# KiCad board revxlp.kicad_pcb (continued)
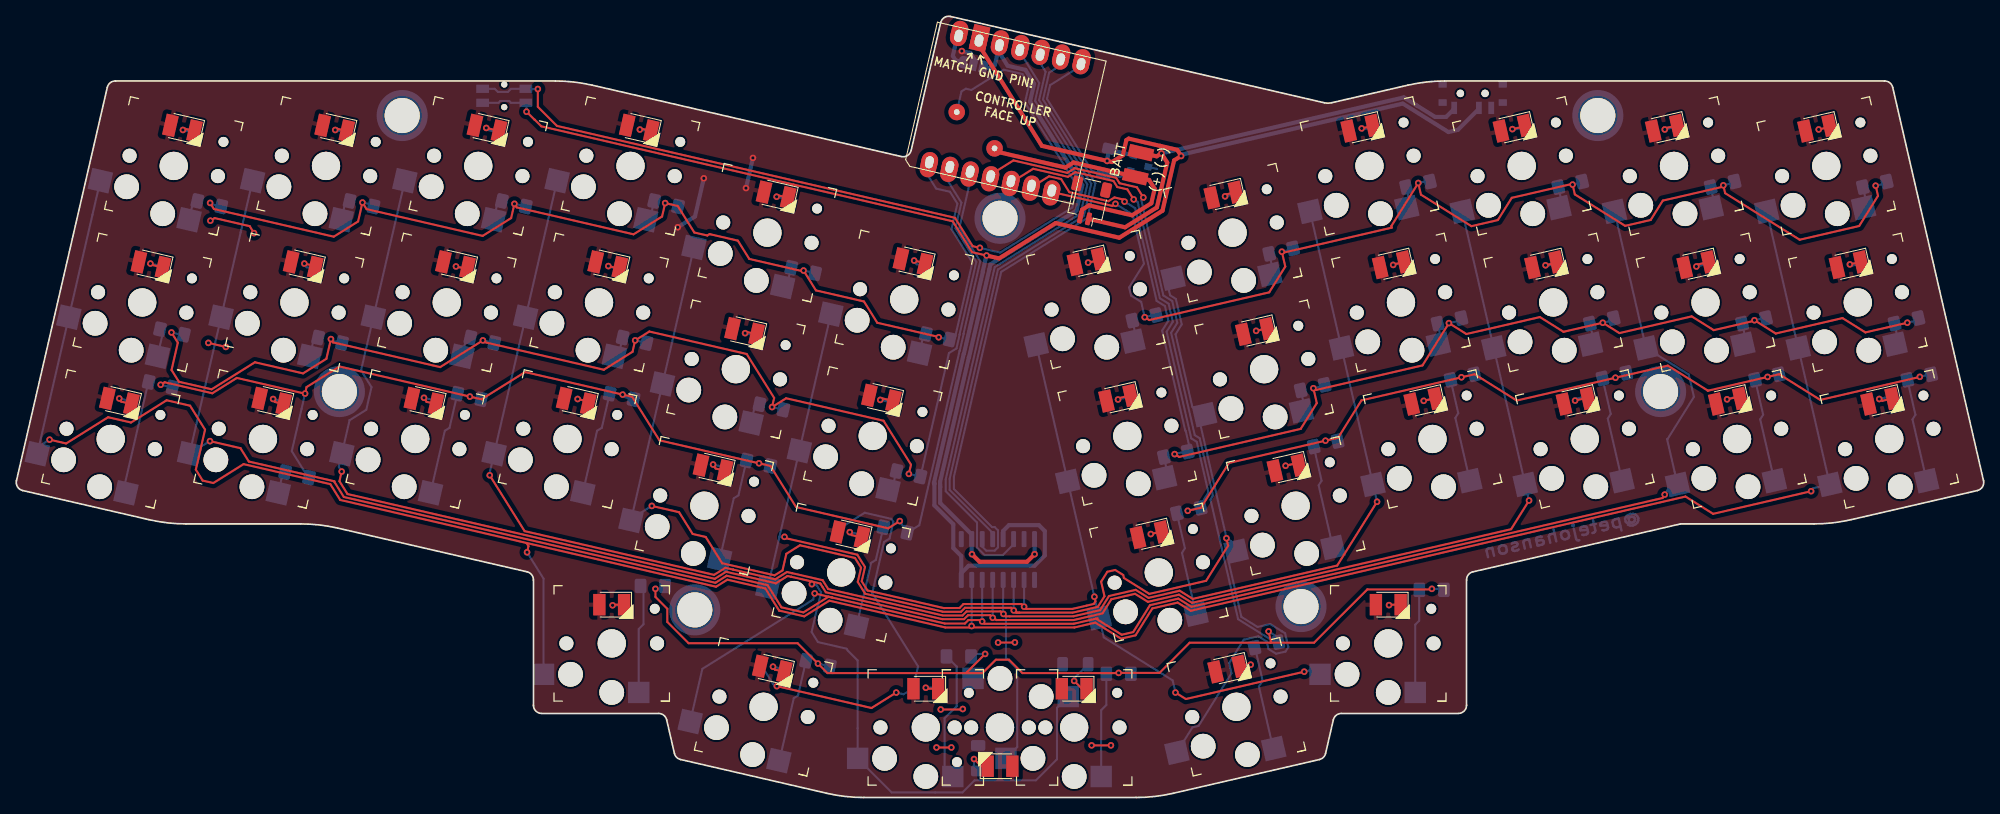
[diagram p0: board, top side]
## Nets (continued)
Net-(SwD5-K): R_D5.2 SwD5.3
Net-(SwE0-K): R_E0.2 SwE0.3
Net-(SwE1-K): R_E1.2 SwE1.3
Net-(SwE2-K): R_E2.2 SwE2.3
Net-(SwE3-K): R_E3.2 SwE3.3
Net-(SwE4-K): R_E4.2 SwE4.3
Net-(SwE5-K): R_E5.2 SwE5.3
Net-(SwF0-K): R_F0.2 SwF0.3
Net-(SwF1-K): R_F1.2 SwF1.3
Net-(SwF2-K): R_F2.2 SwF2.3
Net-(SwF3-K): R_F3.2 SwF3.3
Net-(SwF4-K): R_F4.2 SwF4.3
Net-(SwF5-K): R_F5.2 SwF5.3
Net-(SwG0-K): R_G0.2 SwG0.3
Net-(SwG1-K): R_G1.2 SwG1.3
Net-(SwG2-K): R_G2.2 SwG2.3
Net-(SwG3-K): R_G3.2 SwG3.3
Net-(SwG4-K): R_G4.2 SwG4.3
Net-(SwG5-K): R_G5.2 SwG5.3

Pads without a net: BT2 MP; H1 1; H2 1; H3 1; H4 1; H5 1; H6 1; H7 1; SW1 3; U1 1 9 15

## Via types
v1: diameter 0.8, hole 0.4, Top to Bottom, 140 vias

## Routing (per net, layer and track width the routed paths; a pad name or vN(x,y) marks a point on that pad's centre or on a via; arc(x,y) is an arc through that point)
+3V3: length 88.1
  Top w0.5: v1(123.52,29.52) 122.6,28.6 116.84,28.6 v1(115.92,29.52)
  Bottom w0.5: 112.06,37.66 112.06,37.98 ; 112.06,37.66 112.06,38.32 115.54,53.39 115.56,53.41 118.03,64.08 118.17,64.71 128.6,71.22 129.31,74.28 122.97,84.43 123.47,86.59 122.41,88.28 120.25,88.78 119.1,90.62 U2.12 118.7,88.89 118.06,88.49 JP1.1 ; 112.06,37.66 112.06,35.74 115.89,31.9 115.89,29.55 v1(115.92,29.52) ; v1(123.52,29.52) 123.51,29.53 U1.16
+5V: length 12.9
  Bottom w0.5: v1(83.39,75.13) 82.32,70.5 v1(80.22,69.19) ; v1(88.5,73.95) v1(89.35,77.6) ; 116.21,89.57 115.74,90.33 v1(114.69,90.57)
GND: length 236.5
  Top w0.25: v1(61.88,83.21) 62.85,82.24 62.87,82.24 63.67,81.43 94.29,74.37 113.59,69.91 115.93,66.17 v1(117.7,65.76)
  Top w0.5: 116.62,91.14 116.9,91.08 124.41,79.06 132.32,77.24 v1(132.32,77.24) 132.91,77.1 134.23,77.93 134.65,79.76 134.94,79.94 138.75,79.06 138.76,79.06 140.83,78.59 v1(141.3,77.84) 140.45,77.31 139.04,71.2 133.79,67.92 126.08,69.7 119.21,65.41 v1(117.7,65.76)
  Bottom w0.25: v1(61.88,83.21) 61.88,84.21 SW2.2 60,84.29 59.78,84.51 58.7,84.51 58.48,84.29 SW2.2
  Bottom w0.5: Q1.2 132.64,78.57 132.54,78.73 ; 177.43,83.56 174.87,81 174.84,81 173.73,80.74 168.19,84.2 141.69,78.08 141.41,78.02 v1(141.3,77.84) ; U1.13 119.7,32.35 120.41,33.05 124.04,33.05 124.76,32.33 124.76,29.37 123.51,28.12 115.52,28.12 114.62,27.22 114.62,29.3 113.66,30.26 113.66,33.15 111.36,35.45 111.36,38.07 ; 111.36,38.07 111.36,38.07 111.36,38.22 ; 111.36,38.07 111.3,38.16 114.92,53.83 114.95,53.85 117.25,63.81 117.23,63.83 117.66,65.7 ; R80.2 132.29,77.3 v1(132.32,77.24)
BAT+: length 32.7
  Top w0.5: U2.16 118.91,78.36 127.26,76.43 128.24,77.05 137.42,74.93 138.09,73.85 137.68,72.1 135.34,70.64 130.13,71.84 129.29,71.32 BT2.2
col0: length 330.1
  Top w0.25: v1(61.94,29.76) 62.12,30.5 61.88,30.88 ; v1(217.73,37.16) 205.84,34.42 202.49,36.52 142.46,22.66 140.88,23.65 137.81,22.94 135.76,19.68 134.01,19.27 130.89,21.22 128.36,20.63 116.05,20.63 v1(115.88,20.81) 115.7,20.63 112.72,20.63 98.61,23.88 95.57,21.98 92.53,22.68 92.52,22.68 90.85,25.36 86.24,26.43 84.87,25.57 61.88,30.88 ; v1(4.02,43.42) 6.02,42.96 11.12,46.14 13.89,45.5 18.21,48.2 21.06,47.54 22.88,44.63 21.76,39.78 22.59,38.45 23.88,38.16 27.55,40.45 38.07,38.02 39.27,36.1 61.88,30.88
  Bottom w0.25: SwA0.2 9.22,70.7 SwE0.2 2.73,42.62 v1(4.02,43.42) ; SwB0.2 SwF0.2 217.95,37.52 v1(217.73,37.16) ; SwG0.2 63.94,26.55 v1(61.94,29.76) ; 115.89,25.77 115.89,20.83 v1(115.88,20.81)
col1: length 294.6
  Top w0.25: v1(23.47,43.24) 27.18,42.38 28.19,40.76 38.56,38.37 38.55,38.32 39.72,36.46 84.79,26.05 86.16,26.91 91.13,25.76 92.81,23.08 95.47,22.46 98.52,24.37 98.98,24.26 ; 130.97,21.7 134.09,19.75 135.48,20.07 137.52,23.34 140.96,24.13 142.54,23.14 199.7,36.34 v1(199.97,36.76) ; 128.27,21.08 117.44,21.08 v1(117.16,21.36) 116.99,21.53 115.49,21.53 115.07,21.11 112.62,21.11 98.98,24.26 ; 98.98,24.26 97.63,24.57 97.63,24.58 v1(96.84,24.76) ; 131.18,21.75 128.26,21.08
  Bottom w0.25: SwA1.2 27.2,68.59 SwE1.2 23.45,43.24 v1(23.47,43.24) ; SwB1.2 SwD1.2 202.89,51.31 203.51,48.61 200.31,43.49 200.26,43.47 SwF1.2 200.6,37.78 v1(199.97,36.76) ; v1(117.16,21.36) 117.16,21.36 117.16,25.77 ; SwG1.2 83.21,15.61 96.66,24.02 v1(96.84,24.76)
col2: length 293.6
  Top w0.25: 128.3,21.54 131.76,22.34 132.83,24.05 135.7,24.72 137.26,23.74 141.04,24.61 142.62,23.62 181.33,32.56 v1(183.51,36.03) ; 128.24,21.53 118.87,21.53 118.59,21.81 v1(118.44,21.81) 118.12,22.13 115.45,22.13 114.96,21.64 112.33,21.64 98.19,24.9 97.53,25.97 96.48,26.21 ; 96.48,26.21 94.01,26.78 94,26.77 93.55,26.88 92.13,25.99 86.09,27.39 86.09,27.39 84.71,26.53 67.05,30.61 40.16,36.82 39.18,38.38 v1(39.45,39.55) ; 96.48,26.21 96.55,26.1 v1(96.5,25.88)
  Bottom w0.25: SwB2.2 SwF2.2 183.5,36.04 v1(183.51,36.03) ; SwA2.2 41.81,51.82 43.07,49.79 42.44,47.04 40.41,45.78 40.41,45.78 SwE2.2 39.1,40.11 v1(39.45,39.55) ; 118.43,25.77 118.43,21.81 v1(118.44,21.81) ; v1(96.5,25.88) 97.08,25.75 97.61,24.89 97.27,23.44 97.24,23.41 96.47,20.08 97.23,18.86 100.71,18.06 100.85,17.83 102.05,16.63 102.05,8.41 SwG2.2 106.18,0.62 111.47,0.62 111.47,0.62 114.77,0.62 116.23,2.08 123.67,2.08 126.23,4.64 126.23,10.89 SwAltG2.2
col3: length 215.8
  Top w0.25: 128.24,21.99 131.48,22.74 132.55,24.45 135.78,25.2 137.34,24.22 141.12,25.09 142.71,24.1 160.23,28.15 v1(165.07,35.88) ; 112.41,22.09 114.77,22.09 115.26,22.58 119.41,22.58 119.71,22.28 v1(119.75,22.28) 120.04,21.98 128.26,21.98 ; 112.33,22.1 98.48,25.3 97.81,26.36 94.1,27.22 93.48,27.36 92.05,26.47 86.96,27.65 86.96,27.65 86.01,27.87 84.63,27.01 61.65,32.32 v1(57.41,39.1)
  Bottom w0.25: SwA3.2 64.13,68.48 SwE3.2 57.36,39.18 v1(57.41,39.1) ; SwB3.2 164.57,38.01 SwF3.2 165.06,35.89 v1(165.07,35.88) ; 119.7,25.77 119.7,22.32 v1(119.75,22.28) 119.75,22.14 120.05,21.84 120.05,16.94 121.41,15.58 121.41,6.11 SwG3.2
col4: length 204.8
  Top w0.25: 121.67,22.43 121.26,22.43 v1(121,22.7) 120.67,23.03 115.08,23.03 114.59,22.54 112.35,22.54 ; 121.67,22.43 128.12,22.43 ; 121.67,22.43 121.36,22.43 121,22.8 ; v1(77.08,35.38) 80.39,34.61 82.04,31.98 83.62,31.61 85.61,28.43 91.98,26.96 92.94,27.56 93.4,29.57 95.06,30.6 99.68,29.54 99.69,29.54 101.73,29.07 102.47,27.88 102.07,26.16 102.97,24.72 112.35,22.56 ; 128.17,22.44 130.1,22.88 131.2,23.13 132,24.42 131.59,26.19 132.34,27.39 133.29,27.61 134.27,27 134.36,26.63 137.44,24.71 144.34,26.3 147,30.56 v1(146.8,31.46)
  Bottom w0.25: SwA4.2 82.17,66.64 SwE4.2 74.6,33.83 v1(77.08,35.38) ; 120.97,25.77 120.97,22.72 v1(121,22.7) ; SwB4.2 139.71,62.03 139.96,60.93 140.66,60.5 141.37,57.4 140.62,56.21 142.66,47.38 SwD4.2 143.57,45.52 146.81,31.48 v1(146.8,31.46) 147.75,30.86 SwF4.2 147.09,28.48 148.61,21.92 150.56,20.7 152.11,21.05 153.5,20.18 153.51,20.18 153.91,19.93 154.3,18.25 153.96,17.71 152.82,17.44 151.9,18.02 151.69,18.92 150.67,19.56 148.89,19.15 147.12,16.31 147.4,15.07 143.42,8.69 142.68,8.52 SwG4.2
col5: length 146.6
  Top w0.25: v1(93.18,31.63) 93.27,31.48 93.76,31.37 93.76,31.37 102.01,29.46 102.95,27.96 102.55,26.24 103.25,25.12 112.55,22.97 ; v1(130.77,24.37) 130.9,23.8 130.7,23.48 128.13,22.89 ; 128.1,22.88 122.52,22.88 v1(122.25,23.16) 121.93,23.48 114.89,23.48 114.4,22.99 112.52,22.99 ; v1(156.23,15.27) 141.87,11.95 v1(140.61,12.74)
  Bottom w0.25: SwA5.2 98.74,58.4 92.57,31.63 ; v1(156.23,15.27) 157.26,15.51 SwG5.2 ; v1(93.18,31.63) 93.02,31.53 92.57,31.63 ; v1(122.25,23.16) 122.24,23.16 122.24,25.77 ; 92.57,31.63 SwE5.2 ; v1(140.61,12.74) 140.27,14.21 131.91,19.43 SwF5.2 v1(130.77,24.37) 130.73,24.41 130.73,24.54 SwB5.2
ledOut: length 69.2
  Top w0.25: v1(111.62,6.07) v1(113.42,6.07) ; v1(25.4,54.67) v1(23.28,55.16) ; v1(92.25,13.51) 103.73,10.86 v1(106.73,12.74) ; v1(28.82,68.48) 28.3,69.32 24.03,70.3 v1(23.52,69.98) ; v1(130.44,6.33) 130.44,6.33 v1(132.78,6.33) ; v1(119.09,18.8) 121.11,18.8 v1(121.13,18.82) ; v1(114.81,10.74) 114.75,10.68 v1(112.13,10.68)
  Bottom w0.25: Q1.3 138.4,76.26 ; R_G1.1 91.9,13.59 v1(92.25,13.51) ; v1(106.73,12.74) 107.62,12.53 R_G2.1 109.39,15.9 103.82,24.81 105.25,31 105.92,31.42 106.38,33.42 106.14,33.8 102.91,34.55 R_E5.1
ledTrig: length 21.3
  Bottom w0.25: 131.93,75.75 133.91,75.29 135.13,76.05 ; U2.8 125.4,86.43 125.02,84.78 130.5,76 R80.1
MISO: length 69.1
  Bottom w0.25: 123.92,89.56 124.86,88.06 124.06,84.61 130.4,74.47 129.5,70.58 119.08,64.06 113.22,38.68 113.22,37.32 118.43,32.1 U1.12
MOSI: length 76.8
  Bottom w0.25: U1.14 120.97,30.73 119.66,29.41 117.46,29.41 116.54,30.33 116.54,33.36 112.74,37.16 112.74,38.6 118.58,63.92 118.68,64.34 129.11,70.86 129.92,74.39 123.65,84.43 123.58,84.53 124.08,86.69 121.74,90.44 U2.11
rowA: length 136.9
  Top w0.25: v1(111.89,55.84) 111.86,55.88 104.44,57.6 102.82,60.18 96.99,61.53 v1(95.49,63.94) 95.36,63.86 88.91,65.35 87.52,67.56 84.08,68.36 83.81,68.19 82.24,68.55 80.23,71.77 v1(78.7,72.12) 78.33,70.5 74.86,68.33 60.68,71.61 v1(60.41,72.03) 60.01,70.3 56.55,68.14 42.47,71.39 v1(41.97,72.19) 41.44,69.89 38.49,68.05 23.95,71.4 v1(23.49,72.14)
  Bottom w0.25: v1(41.97,72.19) 43.2,71.9 D_A1.1 ; D_A2.1 61.79,71.72 v1(60.41,72.03) ; v1(111.89,55.84) 113.18,55.54 D_A5.1 113.91,55.99 115.97,64.91 113.44,68.96 114.15,72.05 113.25,73.49 111.57,73.88 110.44,75.69 110.71,76.86 ; v1(78.7,72.12) 80.23,71.77 D_A3.1 ; v1(95.49,63.94) 96.89,63.61 D_A4.1 ; D_A0.1 23.58,72 v1(23.49,72.14)
rowB: length 143.7
  Top w0.25: v1(136.88,58.28) 137.43,57.93 151.98,61.29 153.94,64.42 v1(153.52,66.22) 153.7,66.11 166.85,69.14 166.81,69.34 v1(170.07,74.56) 170.39,73.15 176.51,69.32 179.73,70.06 181.41,72.76 188.68,74.44 v1(188.79,74.36) 189.07,73.18 195.17,69.36 198.27,70.08 199.73,72.42 206.96,74.09 v1(207.08,74.28) 207.3,73.32 216.34,67.68 223.56,69.34 225.85,73 v1(225.56,74.23) ; v1(133.33,72.03) 132.94,71.79 125.98,73.39 U2.7
  Bottom w0.25: v1(153.52,66.22) 154.81,66.52 D_B4.1 ; D_B0.1 226.77,74.51 v1(225.56,74.23) ; D_B2.1 189.89,74.62 v1(188.79,74.36) ; D_B1.1 208.34,74.57 v1(207.08,74.28) ; v1(133.33,72.03) 135.41,70.73 136.79,64.77 134.99,61.89 135.22,60.9 136.45,60.13 v1(136.88,58.28) 138.21,58.58 D_B5.1 ; v1(170.07,74.56) 171.31,74.84 D_B3.1
rowC: length 161
  Top w0.25: v1(18.8,56.42) 19.58,55.19 18.81,51.87 19.7,50.44 23.67,49.53 28.92,52.81 34.76,51.46 37.6,53.23 v1(38.15,55.62) 38.4,55.22 51.4,52.22 v1(56.59,55.46) 56.71,55.26 71.25,51.9 74.74,54.08 v1(75.06,55.46) 76.78,56.54 88.59,53.81 91.92,48.48 v1(91.67,47.37) 93.38,48.44 105.2,45.71 108.53,40.38 v1(108.27,39.27)
  Bottom w0.25: v1(18.8,56.42) 20.23,56.1 D_C0.1 ; v1(38.15,55.62) 38.27,55.43 D_C1.1 ; v1(91.67,47.37) 93.04,47.05 D_C4.1 ; v1(56.59,55.46) D_C2.1 ; 113.19,76.29 112.89,74.98 114.64,72.17 113.92,69.04 116.45,64.99 114.42,56.2 114.43,56.18 114.05,54.49 113.13,53.92 110.1,40.81 D_C5.1 v1(108.27,39.27) ; v1(75.06,55.46) D_C3.1
rowD: length 155.5
  Top w0.25: v1(229.4,57.61) 224.31,56.43 221.54,58.17 213.44,56.3 v1(210.86,57.91) 210.81,57.84 205.91,56.71 203.24,58.38 194.47,56.35 v1(192.45,57.61) 187.69,56.51 184.82,58.29 175.91,56.24 v1(173.79,57.56) 170.58,52.43 157.68,49.45 v1(157.34,49.66) 157.76,47.85 155.81,44.73 141.06,41.32 v1(140.51,41.67) ; 123.09,74.01 125.28,75.38 126.74,75.04 127.73,73.45 132.48,72.35 133.21,72.81 134.28,72.56 v1(134.44,72.3)
  Bottom w0.25: D_D3.1 175.12,57.87 v1(173.79,57.56) ; D_D4.1 158.64,49.96 v1(157.34,49.66) ; v1(229.4,57.61) 230.57,57.88 D_D0.1 ; v1(192.45,57.61) 193.6,57.87 D_D2.1 ; v1(134.44,72.3) 135.73,71.49 138.33,60.26 139.34,59.63 139.75,57.85 139,56.65 141.8,44.53 141.86,44.49 142.35,42.36 D_D5.1 142.03,42.02 v1(140.51,41.67) ; v1(210.86,57.91) 212.19,58.21 D_D1.1
rowE: length 164.9
  Top w0.25: v1(17.49,50.08) 17.97,50.38 23.75,49.05 26.73,50.91 34.99,49 v1(35.01,49.01) 35.2,49.8 39.19,52.3 42.93,51.43 v1(55.01,48.64) 56.42,48.32 61.7,51.62 v1(73.54,48.89) 74.7,48.62 78,43.33 90.08,40.55 v1(90.09,40.55) 91.46,40.23 94.58,35.24 105.76,32.66 107.16,33.54 v1(107.16,33.54)
  Bottom w0.25: 74.65,48.37 73.73,48.59 v1(73.54,48.89) ; D_E1.1 35.39,38.84 33.4,42.02 34.59,47.16 v1(35.01,49.01) ; v1(90.09,40.55) 91.46,40.23 D_E4.1 ; v1(107.16,33.54) 108.04,32.13 D_E5.1 109.53,33.04 114.42,54.2 114.44,54.21 114.91,56.26 114.9,56.28 116.93,65.07 114.4,69.12 115.85,75.42 115.66,75.72 ; v1(55.01,48.64) D_E2.1 ; v1(17.49,50.08) D_E0.1
rowF: length 164.9
  Top w0.25: v1(135.54,72.57) 135.53,72.57 134.77,73.79 133.55,74.07 133.1,74.8 128.46,75.87 127.56,75.31 123.34,76.28 120.61,74.58 ; v1(142.1,34.79) 143.7,35.16 147.1,40.59 v1(158.81,43.3) 160.34,43.65 163.18,48.18 v1(175.31,50.98) 176.91,51.36 182.01,48.17 193.99,50.93 v1(194,50.94) 200.35,52.4 205.18,49.38 205.19,49.35 v1(212.45,51.03) 213.86,51.36 218.84,48.24 230.91,51.03 v1(230.92,51.04)
  Bottom w0.25: v1(175.31,50.98) D_F3.1 ; D_F4.1 159.83,43.53 v1(158.81,43.3) ; v1(230.92,51.04) 232.29,51.36 D_F0.1 ; v1(142.1,34.79) D_F5.1 143.62,35.43 144.61,37.02 143.19,43.16 142.53,43.57 139.54,56.52 140.29,57.72 139.78,59.91 138.72,60.58 136.02,72.27 v1(135.54,72.57) ; v1(212.45,51.03) D_F1.1 ; v1(194,50.94) 195.29,51.23 195.36,51.35
rowG: length 199.4
  Top w0.25: 115.29,15.1 117.2,15.1 118.82,16.72 120.42,16.72 122.04,15.1 133.7,15.1 v1(133.72,15.12) 138.67,15.12 142.33,18.78 152.13,18.78 ; 115.29,15.1 98.39,15.1 94.77,18.72 81.54,18.72 78.96,21.3 78.96,22.9 77.52,24.34 v1(77.52,25.32) ; 115.29,15.1 115.29,15.19 v1(117.52,17.42) ; 152.13,18.78 152.2,18.89 v1(151.91,20.15) ; 152.13,18.78 157.42,18.78 163.89,25.25 171.65,25.25 v1(171.72,25.32) ; v1(136.71,72.8) 135.94,74.04 133.83,74.52 133.42,75.19 128.37,76.35 128.37,76.35 127.48,75.79 120.95,77.3 118.24,75.6
  Bottom w0.25: 152.78,18.78 148.21,21.63 144.86,36.16 145.16,36.64 143.55,43.59 142.95,43.97 140.08,56.39 140.83,57.59 140.22,60.24 139.14,60.92 136.48,72.43 v1(136.71,72.8) ; D_G4.1 152.94,19.51 v1(151.91,20.15) ; v1(77.52,25.32) 78.85,25.32 ; v1(171.72,25.32) 173.06,25.32 D_G5.1 ; v1(97.24,16.25) D_G1.1 ; D_G2.1 116.11,17.42 v1(117.52,17.42) ; D_G3.1 135.2,15.04 135.12,15.12 v1(133.72,15.12)
RST: length 109.3
  Top w0.25: v1(63.25,85.96) 63.25,83.81 65.57,81.48 113.88,70.33 113.88,70.31 116.01,66.89 v1(116.88,66.69)
  Bottom w0.25: 117.92,66.45 119.35,66.12 128.09,71.58 128.69,74.17 127.78,75.63 ; v1(116.88,66.69) 117.92,66.45 ; 127.78,75.63 127.64,75.85 ; 127.78,75.63 127.78,75.64 122.35,84.33 122.85,86.49 122.05,87.78 119.78,88.3 115.85,85.85 115.18,86 114.65,85.67 U2.15 ; v1(63.25,85.96) 61.83,85.96 SW2.1 60,85.99 59.63,85.61 58.4,85.61 58.03,85.99 SW2.1
SCK: length 73.3
  Bottom w0.25: U1.11 117.16,30.44 117.65,29.95 118.68,29.95 119.08,30.35 119.08,32.41 118.68,32.81 118.36,32.81 113.73,37.44 113.73,38.92 119.47,63.78 129.93,70.31 130.9,74.52 130.31,75.47 124.54,84.69 125.29,87.95 126.3,88.59 126.4,88.99
Net-(BT1--): length 56
  Top w0.5: BT1.2 138.33,77.79 v1(138.91,78.16) 139.61,77.03 138.36,71.6 134.5,69.18 BT2.1
  Bottom w0.5: 174.43,83.56 173.44,82.57 172.11,82.57 168.32,84.95 v1(138.91,78.16)
Net-(D_A0-A): length 2.6
  Bottom w0.25: SwA0.1 21.38,72.02 D_A0.2
Net-(D_A1-A): length 2.6
  Bottom w0.25: SwA1.1 39.85,72.02 D_A1.2
Net-(D_A2-A): length 2.6
  Bottom w0.25: SwA2.1 58.26,71.73 58.83,72.09 58.87,72.29
Net-(D_A3-A): length 2.7
  Bottom w0.25: SwA3.1 76.38,70.09 76.92,70.43 D_A3.2
Net-(D_A4-A): length 2.6
  Bottom w0.25: 93.97,64.28 93.53,62.36 SwA4.1
Net-(D_A5-A): length 2.2
  Bottom w0.25: 110.03,56.05 109.54,53.93 SwA5.1
Net-(D_B0-A): length 2.6
  Bottom w0.25: SwB0.1 224.45,72.14 D_B0.2
Net-(D_B1-A): length 2.6
  Bottom w0.25: SwB1.1 205.98,72.14 205.54,74.07
Net-(D_B2-A): length 2.6
  Bottom w0.25: SwB2.1 187.51,72.14 D_B2.2
Net-(D_B3-A): length 2.6
  Bottom w0.25: SwB3.1 169.03,72.14 D_B3.2
Net-(D_B4-A): length 2.6
  Bottom w0.25: D_B4.2 152.43,64.04 SwB4.1
Net-(D_B5-A): length 2.6
  Bottom w0.25: D_B5.2 135.83,55.94 SwB5.1
Net-(D_C0-A): length 3.5
  Bottom w0.25: D_C0.2 17.75,56.3 SwC0.1
Net-(D_C1-A): length 2.6
  Bottom w0.25: SwC1.1 36.03,55.46 D_C1.2
Net-(D_C2-A): length 2.6
  Bottom w0.25: SwC2.1 54.5,55.46 D_C2.2
Net-(D_C3-A): length 2.9
  Bottom w0.25: D_C3.2 72.88,52.96
Net-(D_C4-A): length 2.2
  Bottom w0.25: 89.6,47.58 89.11,45.47 SwC4.1
Net-(D_C5-A): length 2.6
  Bottom w0.25: 106.75,39.62 106.31,37.69 SwC5.1
Net-(D_D0-A): length 2.6
  Bottom w0.25: SwD0.1 228.28,55.58 227.83,57.5
Net-(D_D1-A): length 2.6
  Bottom w0.25: SwD1.1 209.8,55.58 D_D1.2
Net-(D_D2-A): length 2.6
  Bottom w0.25: SwD2.1 191.33,55.58 D_D2.2
Net-(D_D3-A): length 2.6
  Bottom w0.25: SwD3.1 172.86,55.58 D_D3.2
Net-(D_D4-A): length 2.6
  Bottom w0.25: D_D4.2 156.25,47.48 SwD4.1
Net-(D_D5-A): length 2.6
  Bottom w0.25: D_D5.2 139.65,39.38 SwD5.1
Net-(D_E0-A): length 13.9
  Bottom w0.25: SwE0.1 13,37.42 16,50.39 D_E0.2
Net-(D_E1-A): length 2.7
  Bottom w0.25: SwE1.1 32.29,39.3 D_E1.2
Net-(D_E2-A): length 12.6
  Bottom w0.25: SwE2.1 51.97,44.5 52.54,44.85 D_E2.2
Net-(D_E3-A): length 12.6
  Bottom w0.25: SwE3.1 70.44,44.5 71.01,44.85 D_E3.2
Net-(D_E4-A): length 12.6
  Bottom w0.25: SwE4.1 87.02,36.31 87.59,36.66 88.55,40.8
Net-(D_E5-A): length 12.6
  Bottom w0.25: SwE5.1 103.69,28.47 104.26,28.83 D_E5.2
Net-(D_F0-A): length 12.6
  Bottom w0.25: SwF0.1 230.03,45.87 230.39,46.44 D_F0.2
Net-(D_F1-A): length 12.6
  Bottom w0.25: SwF1.1 211.56,45.88 211.91,46.45 D_F1.2
Net-(D_F2-A): length 12.6
  Bottom w0.25: SwF2.1 193.06,45.97 193.42,46.54 192.46,50.68
Net-(D_F3-A): length 12.6
  Bottom w0.25: SwF3.1 174.57,46.06 174.92,46.63 D_F3.2
Net-(D_F4-A): length 12.6
  Bottom w0.25: SwF4.1 157.98,37.87 158.34,38.44 D_F4.2
Net-(D_F5-A): length 12.6
  Bottom w0.25: SwF5.1 141.4,29.68 141.76,30.25 D_F5.2
Net-(D_G0-A): length 12.7
  Bottom w0.25: SwG0.1 75.49,20.44 76.07,21.02 76.07,25.25
Net-(D_G1-A): length 12.7
  Bottom w0.25: 92.55,4.45 94.31,12.05 94.81,12.37 D_G1.2
Net-(D_G2-A): length 18.5
  Bottom w0.25: SwAltG2.1 115.43,15.07 114.07,15.07 ; SwG2.1 112.6,3.55 112.6,9.61 114.07,11.08 114.07,15.07 ; D_G2.2 114.07,15.88 114.07,15.07 ; 115.52,15.12 115.64,15
Net-(D_G3-A): length 12.7
  Bottom w0.25: SwG3.1 131.6,10.6 132.23,11.23 D_G3.2
Net-(D_G4-A): length 12.6
  Bottom w0.25: 150.29,18.08 151.19,14.18 150.74,13.46 152.48,5.92
Net-(D_G5-A): length 12.6
  Bottom w0.25: SwG5.1 169.7,20.97 170.18,21.45 170.18,25.2
Net-(JP1-Pad3): length 3.4
  Bottom w0.5: 114.8,89.24 113.94,89.44 113.6,89.98 114.03,91.84
Net-(SwA0-K): length 2.9
  Top w0.25: v1(20.2,80.99) 20.44,81.14 SwA0.3
  Bottom w0.25: v1(20.2,80.99) R_A0.2
Net-(SwA1-K): length 2.9
  Top w0.25: SwA1.3 38.91,81.14 v1(38.67,80.99)
  Bottom w0.25: v1(38.67,80.99) R_A1.2
Net-(SwA2-K): length 3.3
  Top w0.25: v1(57,81.24) 58.54,80.88 SwA2.3
  Bottom w0.25: v1(57,81.24) 57.15,80.99 R_A2.2
Net-(SwA3-K): length 2.9
  Top w0.25: v1(75.63,81.04) 75.81,81.15 SwA3.3
  Bottom w0.25: R_A3.2 76.98,80.73 v1(75.63,81.04)
Net-(SwA4-K): length 2.9
  Top w0.25: SwA4.3 92.46,73.04 v1(92.22,72.89)
  Bottom w0.25: v1(92.22,72.89) R_A4.2
Net-(SwA5-K): length 3.1
  Top w0.25: SwA5.3 110.1,64.87 v1(108.91,65.15)
  Bottom w0.25: v1(108.91,65.15) 109.18,64.71 R_A5.2
Net-(SwAltG2-K): length 3.7
  Top w0.25: v1(116.17,4.67) 117.04,3.8 SwAltG2.3
  Bottom w0.25: R_AltG2.2 116.17,3.72 v1(116.17,4.67)
Net-(SwB0-K): length 2.9
  Top w0.25: SwB0.3 219.83,81.33 v1(218.65,81.05)
  Bottom w0.25: R_B0.2 218.67,81.04 v1(218.65,81.05)
Net-(SwB1-K): length 3.3
  Top w0.25: SwB1.3 200.08,81.22 v1(199.97,81.05)
  Bottom w0.25: R_B1.2 201.52,81.41 v1(199.97,81.05)
Net-(SwB2-K): length 3.3
  Top w0.25: SwB2.3 182.95,81.43 v1(181.49,81.1)
  Bottom w0.25: v1(181.49,81.1) 181.61,81.02 R_B2.2
Net-(SwB3-K): length 2.9
  Top w0.25: v1(163.2,81.18) 164.51,81.49 SwB3.3
  Bottom w0.25: v1(163.2,81.18) 163.38,81.07 R_B3.2
Net-(SwB4-K): length 2.9
  Top w0.25: SwB4.3 146.78,73.18 v1(146.63,72.94)
  Bottom w0.25: v1(146.63,72.94) R_B4.2
Net-(SwB5-K): length 2.9
  Top w0.25: v1(130.01,64.9) 131.24,65.18 SwB5.3
  Bottom w0.25: R_B5.2 130.08,64.86 v1(130.01,64.9)
Net-(SwC0-K): length 3.8
  Top w0.25: SwC0.3 16.01,64.72 16.16,64.8 v1(16.25,64.78)
  Bottom w0.25: R_C0.2 17.54,64.49 v1(16.25,64.78)
Net-(SwC1-K): length 3.1
  Top w0.25: SwC1.3 36.13,64.5 v1(34.93,64.78)
  Bottom w0.25: R_C1.2 35.2,64.35 v1(34.93,64.78)
Net-(SwC2-K): length 2.9
  Top w0.25: SwC2.3 54.49,64.17 v1(53.32,64.43)
  Bottom w0.25: v1(53.32,64.43) 53.33,64.43 R_C2.2
Net-(SwC3-K): length 2.9
  Top w0.25: SwC3.3 73.02,64.2 v1(71.8,64.48)
  Bottom w0.25: R_C3.2 71.84,64.42 v1(71.8,64.48)
Net-(SwC4-K): length 2.9
  Top w0.25: v1(88.4,56.34) 88.63,56.48 SwC4.3
  Bottom w0.25: R_C4.2 89.8,56.01 v1(88.4,56.34)
Net-(SwC5-K): length 3.3
  Top w0.25: v1(104.8,48.24) 105.08,48.42 SwC5.3
  Bottom w0.25: R_C5.2 106.36,47.88 v1(104.8,48.24)
Net-(SwD0-K): length 2.9
  Top w0.25: SwD0.3 223.78,65 v1(222.43,64.68)
  Bottom w0.25: v1(222.43,64.68) 222.69,64.52 R_D0.2
Net-(SwD1-K): length 3.3
  Top w0.25: SwD1.3 203.96,64.67 v1(203.81,64.43)
  Bottom w0.25: v1(203.81,64.43) R_D1.2
Net-(SwD2-K): length 2.9
  Top w0.25: SwD2.3 186.78,64.87 v1(185.51,64.58)
  Bottom w0.25: R_D2.2 185.63,64.5 v1(185.51,64.58)
Net-(SwD3-K): length 2.9
  Top w0.25: SwD3.3 167.06,64.68 v1(167.03,64.62)
  Bottom w0.25: v1(167.03,64.62) 168.29,64.91 R_D3.2
Net-(SwD4-K): length 2.9
  Top w0.25: v1(150.4,56.62) 151.71,56.92 SwD4.3
  Bottom w0.25: R_D4.2 v1(150.4,56.62)
Net-(SwD5-K): length 3.3
  Top w0.25: v1(133.64,48.29) 133.75,48.46 SwD5.3
  Bottom w0.25: R_D5.2 135.19,48.65 v1(133.64,48.29)
Net-(SwE0-K): length 3.4
  Top w0.25: v1(12.47,48.41) 12.71,48.03 SwE0.3
  Bottom w0.25: v1(12.47,48.41) 14.05,48.05 R_E0.2
Net-(SwE1-K): length 3
  Top w0.25: SwE1.3 31.36,47.99 v1(31.13,48.35)
  Bottom w0.25: v1(31.13,48.35) R_E1.2
Net-(SwE2-K): length 3.4
  Top w0.25: v1(49.44,48.5) 49.74,48.01 SwE2.3
  Bottom w0.25: v1(49.44,48.5) 50.93,48.15 R_E2.2
Net-(SwE3-K): length 3
  Top w0.25: SwE3.3 69.15,48.11 v1(68.08,48.35)
  Bottom w0.25: R_E3.2 v1(68.08,48.35)
Net-(SwE4-K): length 3.4
  Top w0.25: SwE4.3 84.82,39.91 v1(84.51,40.4)
  Bottom w0.25: R_E4.2 86.01,40.06 v1(84.51,40.4)
Net-(SwE5-K): length 3.4
  Top w0.25: v1(101.09,32.2) 101.32,31.84 SwE5.3
  Bottom w0.25: v1(101.09,32.2) R_E5.2
Net-(SwF0-K): length 3.4
  Top w0.25: SwF0.3 226.36,48.13 v1(226,48.35)
  Bottom w0.25: v1(226,48.35) R_F0.2
Net-(SwF1-K): length 3.4
  Top w0.25: SwF1.3 208.84,48.61 v1(207.53,48.31)
  Bottom w0.25: v1(207.53,48.31) 207.56,48.36 R_F1.2
Net-(SwF2-K): length 3.4
  Top w0.25: SwF2.3 190.55,48.5 v1(189.09,48.16)
  Bottom w0.25: v1(189.09,48.16) 189.24,48.4 R_F2.2
Net-(SwF3-K): length 3.1
  Top w0.25: SwF3.3 172.14,48.46 v1(170.73,48.13)
  Bottom w0.25: R_F3.2 v1(170.73,48.13)
Net-(SwF4-K): length 3.4
  Top w0.25: SwF4.3 155.24,40.55 v1(153.97,40.25)
  Bottom w0.25: R_F4.2 v1(153.97,40.25)
Net-(SwF5-K): length 2.9
  Top w0.25: v1(137.62,31.97) 138.92,32.27 SwF5.3
  Bottom w0.25: R_F5.2 137.63,31.96 v1(137.62,31.97)
Net-(SwG0-K): length 3
  Top w0.25: SwG0.3 72.4,23.4 v1(72.32,23.32)
  Bottom w0.25: v1(72.32,23.32) 73.39,23.32 R_G0.2
Net-(SwG1-K): length 3.1
  Top w0.25: SwG1.3 92.01,15.52 v1(91.78,15.88)
  Bottom w0.25: v1(91.78,15.88) R_G1.2
Net-(SwG2-K): length 3.1
  Top w0.25: v1(110.32,13.32) 110.44,13.2 SwG2.3
  Bottom w0.25: v1(110.32,13.32) 111.8,13.32 R_G2.2
Net-(SwG3-K): length 4.6
  Top w0.25: SwG3.3 129.27,13.2 v1(128.32,14.15)
  Bottom w0.25: v1(128.32,14.15) 128.32,14.47 R_G3.2
Net-(SwG4-K): length 2.7
  Top w0.25: SwG4.3 149.61,16.2 v1(149.74,16.12)
  Bottom w0.25: v1(149.74,16.12) 148.64,15.86 R_G4.2
Net-(SwG5-K): length 2.9
  Top w0.25: SwG5.3 166.57,23.4 v1(166.52,23.34)
  Bottom w0.25: v1(166.52,23.34) 167.87,23.34 R_G5.2

## Copper pours and planes (outline as drawn; the poured copper is in the pictures)
+5V on Top: 229.67,102.15 247.17,101.15 248.67,-6.35 118.67,-10.6 -13.33,21.4 6.92,104.9
ledOut on Bottom: 228.57,103.41 250.82,-5.84 -14.43,-0.84 11.07,106.91

## Text on the board
Bottom: @petejohanson
B.Silkscreen: VBUS | LED V+ | 3.3v | RESET | ON | OFF | 0 | 1 | 2 | 3 | 4 | 5 | SER | RCLK | SRCLK | LED | A | RST | C | E | G | BAT+ | F | D | B | revxlp | v0.1
F.Silkscreen: MATCH GND PIN! | CONTROLLER / FACE UP
